# KiCad board v2a.kicad_pcb (continued)
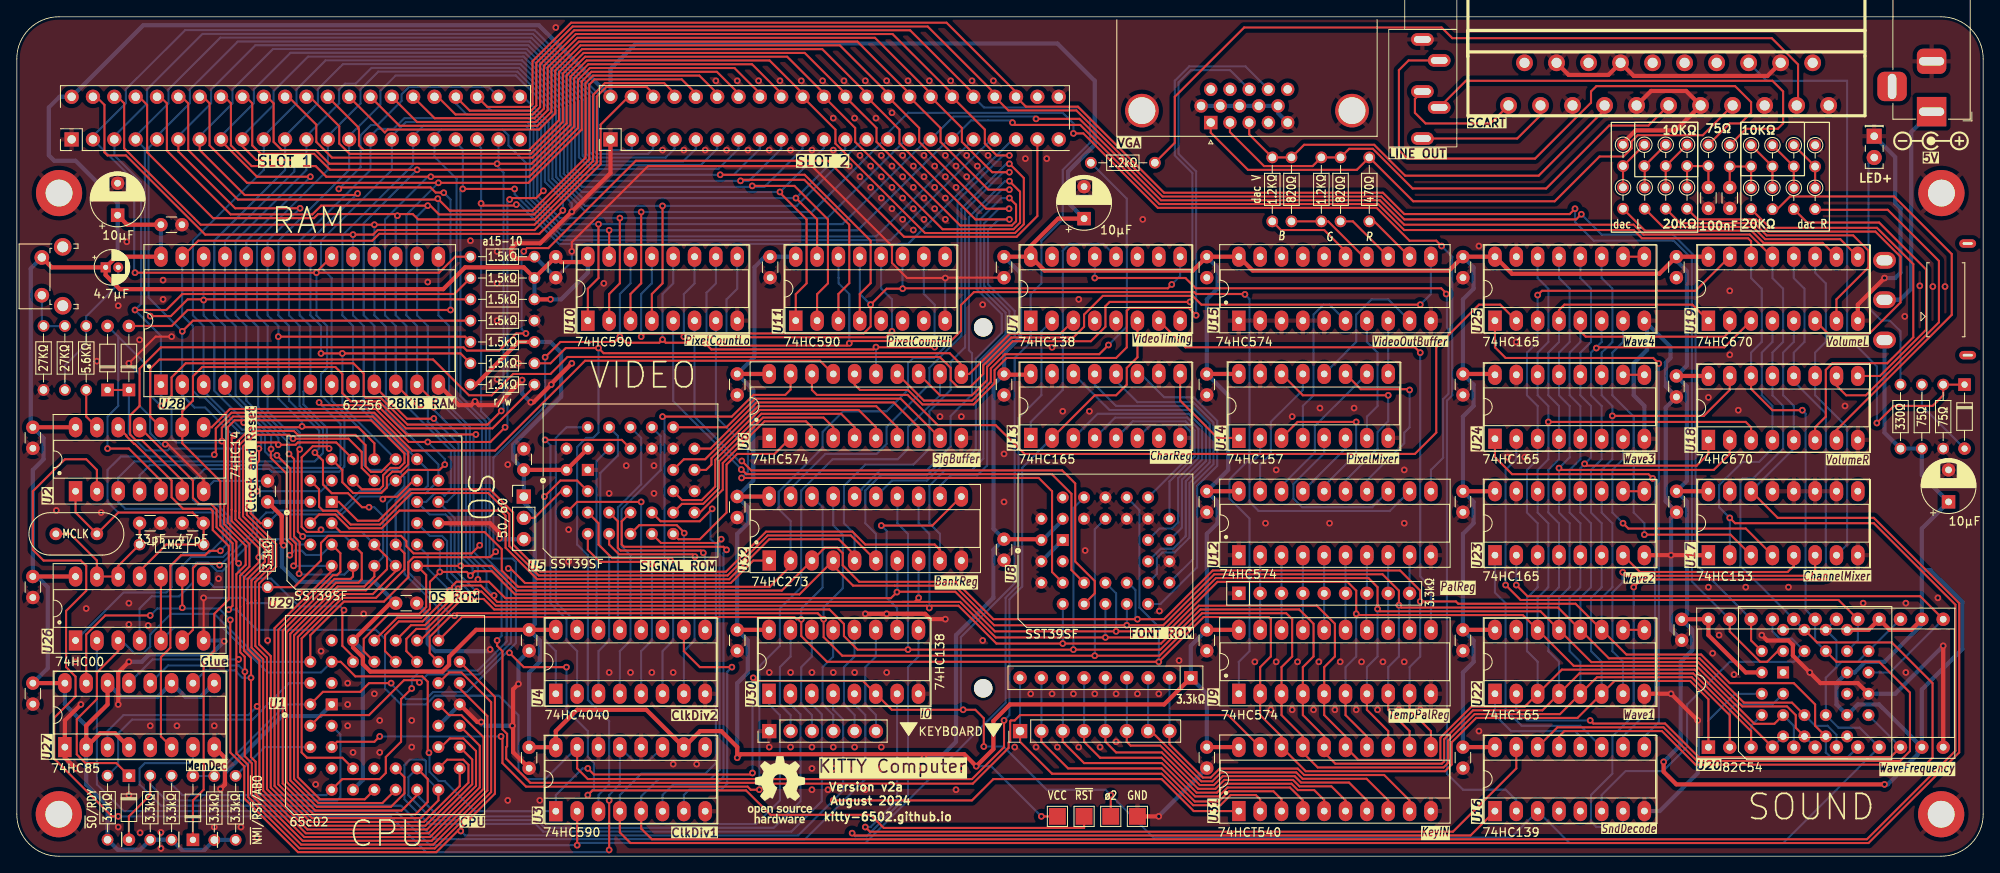
[diagram p0: board, top side]
## Routing (per net, layer and track width the routed paths; a pad name or vN(x,y) marks a point on that pad's centre or on a via; arc(x,y) is an arc through that point) (continued)
A4: length 269.3
  Top w0.25: 47.63,7.28 45.78,5.44 35.51,5.44 32.09,8.85 32.09,26.68 37.99,32.58 40.64,32.58 41.05,32.98 41.05,36.09 U29.8 ; v1(34.02,38.09) 33.44,38.67 33.44,48.25 v1(33.66,48.47) ; U10.4 75.57,66.97 76.84,68.25 v1(76.84,77.47)
  Bottom w0.25: 101.13,85.79 92.81,77.47 67.62,77.47 64.19,80.91 64.19,88.84 59.57,93.46 43,93.46 40.91,91.37 40.91,89.69 37,85.79 37,81.75 28.58,73.33 28.58,64.44 29.85,63.17 U28.6 29.85,53 31.92,50.93 33.19,50.93 33.66,50.47 v1(33.66,48.47) ; U30.1 89.52,18.09 90.81,16.8 90.81,6.65 88,3.84 63.02,3.84 62.11,4.75 50.17,4.75 47.63,7.28 U1.15 ; v1(34.02,38.09) 34.1,38.17 38.97,38.17 U29.8
A5: length 278.1
  Top w0.25: v1(92.72,78.41) 95.23,75.89 U11.15 ; v1(32.39,47.92) 32.99,47.32 32.99,38.09 33.66,37.43 33.66,33.72 v1(33.59,33.66) ; U1.16 48.9,9.19 48.9,6.45 47.43,4.99 35.33,4.99 31.64,8.67 31.64,26.87 37.81,33.03 39.72,33.03 40.01,33.32 U29.7
  Bottom w0.25: U30.2 92.06,18.1 93.25,16.91 93.25,6.56 90.09,3.38 62.83,3.38 61.92,4.29 49.57,4.29 46.59,7.27 46.59,9.42 U1.16 ; v1(32.39,47.92) 32.39,49.19 27.31,54.27 U28.5 27.31,63.17 26.04,64.44 26.04,73.32 34.46,81.75 34.46,85.79 38.37,89.69 38.37,91.35 39.06,92.04 40.34,92.04 42.21,93.91 59.76,93.91 64.64,89.03 64.64,81.09 67.33,78.41 v1(92.72,78.41) 98.59,84.28 98.59,85.79 ; U29.7 38.97,33.55 33.7,33.55 v1(33.59,33.66)
A6: length 296
  Top w0.25: U1.17 50.17,6.65 48.06,4.53 35.14,4.53 31.12,8.55 31.12,26.98 37.62,33.48 38.11,33.48 38.51,33.88 38.51,36.09 U29.6 ; U11.1 92.69,66.95 93.99,68.25 93.99,75.86 90.81,79.04 v1(90.81,79.13) ; v1(30.26,48.51) 30.23,48.48 30.23,47.46 32.09,45.59 32.09,37.72 32.76,37.05 32.76,36.14 v1(32.48,35.86)
  Bottom w0.25: v1(30.26,48.51) 30.26,50.05 24.77,55.54 U28.4 24.77,63.17 23.5,64.44 23.5,73.33 31.92,81.75 31.92,85.79 35.83,89.69 35.83,91.37 38.82,94.36 59.94,94.36 65.09,89.21 65.09,81.28 67.24,79.13 v1(90.81,79.13) 96.05,84.37 96.05,85.79 ; U1.17 48.67,9.42 48.67,11.33 48.5,11.5 46.76,11.5 46.13,10.86 46.13,6.79 49.07,3.84 61.73,3.84 62.64,2.94 92.18,2.94 95.79,6.56 95.79,16.91 94.6,18.1 U30.3 ; v1(32.48,35.86) 33.03,36.41 33.9,36.41 34.41,35.89 36.23,35.89 U29.6
A7: length 229.3
  Top w0.25: v1(30.95,47.76) 32.54,46.17 32.54,37.91 33.21,37.24 33.21,34.86 v1(32.94,34.59) ; U29.5 37.47,33.97 30.67,27.17 30.67,8.37 34.95,4.09 48.44,4.09 52.71,8.36 U1.18 ; v1(87.52,79.85) 92.53,79.85 96.53,75.86 96.53,68.25 95.23,66.95 U11.2
  Bottom w0.25: v1(32.94,34.59) U29.5 ; v1(30.95,47.76) 29.98,47.76 29.53,48.21 29.53,50.14 28.86,50.81 26.81,50.81 22.23,55.4 U28.3 22.23,63.17 20.96,64.44 20.96,73.33 29.38,81.75 29.38,85.79 33.29,89.69 33.29,91.35 36.74,94.81 60.13,94.81 65.54,89.4 65.54,81.47 67.27,79.73 88.96,79.73 93.51,84.28 93.51,85.79
A8: length 248.9
  Top w0.25: v1(33.03,82.94) 28.48,82.94 26.84,84.59 J5.17 ; U29.27 38.01,49.29 33.45,49.29 33.17,49.02 v1(31.12,49.02) 30.84,49.29 28.04,49.29 27.38,48.62 27.38,40.67 30.87,37.18 30.87,34.52 28.83,32.47 28.83,30.65 28.83,30.65 28.83,25.23 30.22,23.84 30.22,8.18 34.77,3.63 48.62,3.63 53.75,8.76 53.75,10.89 53.14,11.5 51.21,11.5 U1.19 ; v1(86.12,80.45) 86.25,80.58 93.72,80.58 99.06,75.23 99.06,68.27 97.77,66.97 97.77,63.8
  Bottom w0.25: v1(33.03,82.94) 33.03,81.58 24.77,73.32 U28.25 24.77,64.44 26.04,63.17 26.04,54.91 31.12,49.83 v1(31.12,49.02) ; 26.84,85.79 30.56,89.5 30.56,91.16 34.65,95.26 60.31,95.26 65.99,89.59 65.99,81.65 67.19,80.45 v1(86.12,80.45) 87.09,80.45 87.21,80.58 87.27,80.58 90.97,84.28 90.97,85.79
A9: length 260.3
  Top w0.25: U1.20 54.2,11.51 54.2,8.57 48.81,3.19 34.58,3.19 29.77,7.99 29.77,23.65 28.38,25.04 28.38,30.46 28.38,30.46 28.38,32.66 30.42,34.7 30.42,36.99 26.92,40.49 26.92,40.73 26.92,40.74 26.92,48.81 28.32,50.21 32.41,50.21 v1(32.87,49.74) 32.87,49.74 39.47,49.74 41.05,48.16 41.05,46.25 U29.26 ; 100.31,63.8 100.31,66.97 101.6,68.27 101.6,73.33 93.75,81.18 v1(83.7,81.18) ; v1(34.93,80.94) 28.58,80.94 24.3,85.22 J5.15
  Bottom w0.25: 24.3,85.79 28.21,89.69 28.21,91.35 32.56,95.71 60.5,95.71 66.44,89.77 66.44,81.84 67.1,81.18 v1(83.7,81.18) 85.33,81.18 88.43,84.28 88.43,85.79 ; v1(32.87,49.74) 32.48,49.74 28.72,53.49 28.72,63.02 27.31,64.44 U28.24 27.31,73.28 34.93,80.9 v1(34.93,80.94)
A10: length 266.4
  Top w0.25: R8.1 52.8,59.9 v1(36.2,59.9) ; U1.21 50.49,13 51.52,14.04 53.14,14.04 54.65,12.53 54.65,8.39 48.99,2.74 34.39,2.74 29.32,7.81 29.32,23.47 27.93,24.86 27.93,30.27 27.92,30.28 27.92,32.85 29.97,34.89 29.97,36.81 26.47,40.31 26.47,40.92 26.47,40.93 26.47,48.99 28.14,50.66 32.98,50.66 33.45,50.19 40.29,50.19 41.5,48.98 41.5,46.44 42.15,45.79 43.35,45.79 44.85,47.29 U29.23 ; v1(40.56,78.95) 40.38,78.77 27.12,78.77 21.76,84.13 J5.13
  Bottom w0.25: v1(40.56,78.95) 34.93,73.33 U28.21 34.93,64.44 36.2,63.17 v1(36.2,59.9) ; U29.23 38.74,53.64 v1(38.74,59.9) ; 21.76,85.79 25.67,89.69 25.67,91.35 30.47,96.16 60.69,96.16 66.89,89.96 66.89,83.27 68.29,81.87 83.48,81.87 85.89,84.28 85.89,85.79
A11: length 277.5
  Top w0.25: R9.1 53.34,61.89 v1(31.12,61.89) ; U1.22 55.1,13.15 55.1,8.2 49.18,2.28 34.21,2.28 28.87,7.62 28.87,23.28 27.48,24.67 27.48,30.09 27.47,30.09 27.47,33.03 29.52,35.07 29.52,36.62 26.02,40.12 26.02,41.11 26.03,41.11 26.03,49.18 27.95,51.11 33.84,51.11 v1(33.94,51.21) 34.04,51.11 40.64,51.11 42.55,49.19 U29.25 ; v1(33.71,77.19) 25.99,77.19 19.22,83.95 J5.11
  Bottom w0.25: v1(33.71,77.19) 29.85,73.33 U28.23 29.85,64.44 31.12,63.17 v1(31.12,61.89) 31.12,54.52 33.94,51.69 v1(33.94,51.21) ; v1(28.59,17.85) 27.55,16.81 12.7,16.81 10.8,14.91 U27.3 ; 19.22,85.79 23.13,89.69 23.13,91.35 28.38,96.61 60.87,96.61 67.34,90.15 67.34,83.46 68.47,82.32 81.39,82.32 83.35,84.28 83.35,85.79
A12: length 263.1
  Top w0.25: v1(19.69,62.53) 20.96,63.8 R10.1 ; v1(25.85,50.12) 25.58,49.84 25.58,41.3 25.56,41.29 25.56,39.93 28.79,36.71 v1(28.79,35.61) 28.79,34.99 27.03,33.22 27.03,29.91 27.03,29.9 27.03,24.48 27.87,23.64 27.87,11.8 28.42,11.25 28.42,7.44 34.02,1.84 49.37,1.84 55.55,8.01 55.55,14.17 52.91,16.81 51.44,16.81 U1.25
  Bottom w0.25: 16.68,85.79 20.59,89.69 20.59,91.35 26.29,97.06 61.06,97.06 67.79,90.33 67.79,83.64 68.66,82.77 79.3,82.77 80.81,84.28 80.81,85.79 ; J5.9 15.69,84.4 15.69,66.53 v1(19.69,62.53) U28.2 19.69,54.91 21.15,53.45 22.41,53.45 25.75,50.12 v1(25.85,50.12) ; v1(27.87,21.25) 26.84,21.25 25.95,22.14 22.48,22.14 U27.10 ; U29.4 33.48,37.13 32.84,37.77 30.95,37.77 v1(28.79,35.61)
A13: length 302.2
  Top w0.25: U29.28 41.05,43.71 43.19,43.71 43.59,44.11 43.59,45.39 44.45,46.25 45.52,46.25 46.13,46.86 46.13,47.97 42.16,51.93 27.27,51.93 v1(27,51.66) 26.72,51.93 25.92,51.93 25.12,51.13 25.12,41.49 25.11,41.48 25.11,39.75 27.69,37.18 27.69,34.52 26.58,33.41 26.58,29.72 26.58,29.71 26.58,24.3 27.13,23.75 27.13,11.91 27.97,11.07 27.97,7.25 33.83,1.38 49.55,1.38 56,7.83 56,16.7 52.71,19.98 ; v1(15.88,64.34) 18.33,64.34 20.33,66.34 22.14,66.34 v1(22.23,66.25) 22.32,66.34 R11.1
  Bottom w0.25: 78.27,85.79 78.27,84.28 77.21,83.22 68.85,83.22 68.24,83.83 68.24,90.52 61.25,97.51 24.2,97.51 18.05,91.35 18.05,89.69 14.14,85.79 ; v1(27.14,21.98) 26.4,22.72 17.98,22.72 U27.12 ; v1(27,51.66) 27,51.96 23.5,55.46 23.5,63.17 22.23,64.44 v1(22.23,66.25) U28.26 ; J5.7 15.24,84.29 15.24,64.98 v1(15.88,64.34)
A14: length 321.9
  Top w0.25: U1.27 51.44,21.89 52.91,21.89 56.45,18.35 56.45,7.64 49.74,0.94 33.65,0.94 27.52,7.06 27.52,10.88 26.13,12.27 26.13,29.53 26.12,29.53 26.12,33.59 27.23,34.7 27.23,36.99 24.67,39.56 24.67,41.66 24.67,41.67 24.67,49.18 v1(24.4,49.45) 24.4,51.05 25.74,52.38 42.35,52.38 46.58,48.15 46.58,46.67 45.71,45.8 44.68,45.8 44.04,45.16 44.04,43.93 43.37,43.26 40.03,43.26 38.74,44.55 38.74,46.02 U29.29 ; v1(14.06,65.07) 17.78,65.07 19.69,66.97 52.08,66.97 R12.1
  Bottom w0.25: J5.5 11.6,83.49 14.79,80.3 14.79,65.8 v1(14.06,65.07) 17.15,61.98 U28.1 17.15,54.91 18.42,53.64 18.42,49.83 18.96,49.29 24.24,49.29 v1(24.4,49.45) ; v1(26.4,23.45) 16.17,23.45 U27.13 ; 75.73,85.79 75.73,84.28 75.12,83.67 69.03,83.67 68.69,84.02 68.69,90.71 61.43,97.96 22.1,97.96 15.51,91.37 15.51,89.69 11.6,85.79
A15: length 422.1
  Top w0.25: 53.13,3.69 52.83,3.39 v1(52.83,3) 52.55,3 52.5,3.05 ; 53.13,3.69 52.5,3.05 ; 53.13,3.69 56.9,7.45 56.9,18.97 U1.28 ; 52.5,3.05 49.93,0.49 33.46,0.49 27.07,6.88 27.07,10.69 25.41,12.36 v1(25.41,28.15) ; R13.1 52.16,71.42 50.26,69.52 v1(35.66,69.52) ; v1(35.66,69.52) v1(14.06,69.52) ; v1(35.66,69.52) 35.66,69.61 U28.20 37.47,71.03 ; v1(15.88,28.68) 10.52,28.68 8.26,26.42 U27.15 ; 19.69,33.81 U26.9 v1(19.69,29.6) ; U31.1 140.05,5.38 136.24,9.19 116.21,9.19 113.67,6.65 v1(97.16,6.65)
  Bottom w0.25: J6.3 73.19,84.28 73.03,84.12 69.22,84.12 69.14,84.2 69.14,90.89 61.62,98.41 20.02,98.41 12.97,91.35 12.97,89.69 9.06,85.79 ; v1(35.66,69.52) 35.66,64.44 36.92,63.17 36.92,58.17 36.2,57.45 36.2,54.91 38.97,52.13 38.97,46.41 38.37,45.8 30.35,45.8 30.02,46.13 22.34,46.13 20.96,44.75 20.96,42.48 21.59,41.85 23.86,41.85 25.41,40.31 25.41,36.5 24.56,35.66 20.76,35.66 19.69,34.59 U26.9 ; J5.3 13.98,80.48 13.98,69.61 v1(14.06,69.52) ; v1(15.88,28.68) 16.71,29.51 24.05,29.51 v1(25.41,28.15) ; U30.4 97.14,17.47 98.34,16.27 98.34,7.82 93,2.49 53.34,2.49 v1(52.83,3)
AudioMux0: length 292.2
  Top w0.25: U3.4 71.76,2.84 73.03,1.57 220.35,1.57 231.14,12.36 231.14,30.14 220.99,40.31 209.56,40.31 U17.14 ; U5.12 76.61,39.9 81.27,39.9 v1(82.75,41.38)
  Bottom w0.25: U17.14 211.46,48.56 U18.5 211.46,53.64 210.19,54.91 210.19,59.99 211.46,61.26 U19.5 ; U3.4 71.76,7.28 74.3,9.82 81.92,9.82 83.19,11.09 83.19,37.13 82.56,37.77 82.56,41.18 v1(82.75,41.38)
AudioMux1: length 294.1
  Top w0.25: U3.5 74.3,3.29 75.57,2.02 220.16,2.02 230.69,12.55 230.69,29.96 220.98,39.67 204.47,39.67 v1(203.84,40.31) ; v1(83.83,37.77) 83.38,37.31 76.66,37.31 U5.11
  Bottom w0.25: v1(83.83,37.77) 83.64,37.58 83.64,10.28 82.56,9.19 76.36,9.19 74.3,7.13 U3.5 ; U19.4 208.92,61.26 207.65,59.99 207.65,54.91 208.92,53.64 U18.4 208.72,49.39 208.72,48.36 207.33,46.97 205.34,46.97 202.57,44.2 202.57,41.58 v1(203.84,40.31) U17.2
B0: length 212.1
  Top w0.25: v1(118.12,83.48) 116.61,83.48 115.19,84.9 115.19,86.56 J6.34 ; U29.3 38.52,38.62 55.67,38.62 57.71,36.58 57.71,34.04 59.65,32.09 89.6,32.09 92.08,34.58 U32.2 ; J5.34 49.72,87.91 61.58,87.91 62.72,89.06 62.72,94.15 66.52,97.94 104.21,97.94 111.29,90.87
  Bottom w0.25: v1(118.12,83.48) 117.35,83.48 111.95,78.08 111.95,62.17 109.14,59.36 106.69,59.36 106.05,58.72 106.05,55.55 103.51,53 98.34,53 95.89,50.55 95.89,48.65 90.66,43.42 90.66,41.56 90.56,41.45 92.08,39.92 U32.2
B1: length 223.8
  Top w0.25: U32.5 99.7,35.88 97.81,37.77 89.54,37.77 84.77,33 61.92,33 58.16,36.76 58.16,40.57 57.55,41.17 45.52,41.17 43.42,39.07 39.54,39.07 37.9,40.71 35.97,40.71 U29.2 ; 108.75,90.87 102.12,97.5 66.7,97.5 63.17,93.96 63.17,88.87 61.77,87.47 47.63,87.47 J5.32 ; J6.32 112.46,86.75 112.46,85.09 116.07,81.48 v1(118.12,81.48)
  Bottom w0.25: v1(118.12,81.48) 117.39,81.48 112.85,76.95 112.85,60.62 111.13,58.91 111.13,55.55 108.59,53 108.59,48.56 106.69,46.66 100.97,46.66 98.43,44.11 98.43,39.67 99.7,38.4 U32.5
B2: length 234.1
  Top w0.25: U32.6 99.25,38.22 89.35,38.22 84.58,33.44 62.11,33.44 58.61,36.94 58.61,40.75 56.1,43.26 46.98,43.26 43.23,39.52 39.73,39.52 38.09,41.16 36.45,41.16 35.97,41.64 35.97,43.71 U29.30 ; J6.30 109.92,86.75 109.92,85.09 115.61,79.41 v1(118.12,79.41) ; 106.21,90.87 100.03,97.05 66.89,97.05 63.62,93.78 63.62,88.68 61.95,87.02 45.54,87.02 J5.30
  Bottom w0.25: U32.6 102.24,38.4 100.97,39.67 100.97,43.57 102.79,45.39 108.32,45.39 110.23,47.29 112.94,47.29 114.12,48.47 114.12,59.26 117.22,62.36 117.22,64.57 114.22,67.56 114.22,76.42 117.21,79.41 v1(118.12,79.41)
B3: length 233.2
  Top w0.25: 103.67,90.87 97.94,96.59 67.08,96.59 64.07,93.59 64.07,88.5 62.14,86.56 44.14,86.56 43.79,86.22 J5.28 ; U32.9 109.86,36.5 109.22,37.13 100.97,37.13 99.44,38.67 89.17,38.67 84.4,33.89 62.3,33.89 59.06,37.13 59.06,40.94 56.29,43.71 46.79,43.71 43.04,39.97 40.56,39.97 38.32,42.21 U29.1 ; v1(118.08,77.13) 115.34,77.13 107.38,85.09 107.38,86.75 J6.28
  Bottom w0.25: U32.9 109.86,38.4 108.59,39.67 108.59,44.11 110.5,46.02 113.67,46.02 115.02,47.37 115.02,58.89 118.12,61.98 118.12,64.94 115.12,67.93 115.12,75.41 116.85,77.13 v1(118.08,77.13)
B4: length 144.2
  Top w0.25: J6.26 105.03,86.56 105.03,84.9 114.07,75.86 117.84,75.86 117.93,75.95 ; v1(118.12,75.86) 117.93,76.05 ; J5.26 40.64,86.83 40.64,86.66 40.72,86.59 40.72,84.68 41.28,84.12 60.97,84.12 64.52,87.68 64.52,93.41 67.26,96.15 95.85,96.15 101.13,90.87
  Bottom w0.25: 118.12,75.77 116.75,75.77 115.57,74.59 115.57,68.12 118.75,64.95 118.75,61.98 115.47,58.7 115.47,46.55 114.31,45.39 111.13,45.39 109.86,44.11 U32.12
B5: length 158.9
  Top w0.25: 34.46,90.87 38.37,86.96 38.37,84.9 39.6,83.67 61.15,83.67 64.97,87.49 64.97,93.22 67.45,95.69 93.76,95.69 98.59,90.87 ; v1(118.12,78.41) 118.91,77.61 118.91,75.63 118.42,75.14 112.26,75.14 102.3,85.09 102.3,86.75 J6.24
  Bottom w0.25: v1(118.12,78.41) 117.16,78.41 114.68,75.92 114.68,67.75 117.66,64.76 117.66,62.17 114.57,59.08 114.57,48.19 113.03,46.66 110.23,46.66 108.32,44.75 104.15,44.75 U32.15
B6: length 164.4
  Top w0.25: J6.22 99.76,86.75 99.76,85.09 110.17,74.69 118.6,74.69 119.38,75.47 119.38,79.16 v1(118.13,80.42) ; 96.05,90.87 91.67,95.25 67.64,95.25 65.42,93.03 65.42,87.31 61.34,83.22 37.51,83.22 35.64,85.09 35.64,87.15 31.92,90.87
  Bottom w0.25: v1(118.13,80.42) 117.59,80.42 113.3,76.13 113.3,60.28 113.67,59.91 113.67,54.99 111.13,52.45 111.13,48.83 108.32,46.02 102.79,46.02 100.52,43.75 100.52,43.67 U32.16
B7: length 294.1
  Top w0.25: v1(118.12,82.48) 118.14,82.48 119.84,80.79 119.84,75.29 118.79,74.24 108.08,74.24 97.41,84.9 97.41,86.56 J6.20 ; 29.38,90.87 30.56,89.69 30.56,85.09 31.53,84.12 35.57,84.12 37.19,82.5 61.25,82.5 65.87,87.12 65.87,92.85 67.82,94.8 89.58,94.8 93.51,90.87 ; v1(57.65,53.05) 56.02,51.42 46.49,51.42 43.28,54.63 41.52,54.63 41.28,54.87 41.28,57.49 40.05,58.72 20.1,58.72 18.42,57.05 18.42,54.91 v1(17.15,53.64) ; U2.5 17.15,44.75 13.34,48.56 v1(10.8,48.56)
  Bottom w0.25: 12.07,61.89 12.07,53.64 10.8,52.37 v1(10.8,48.56) ; 12.07,61.89 15.88,58.08 15.88,54.91 v1(17.15,53.64) ; 12.07,61.89 D5.2 ; U32.19 92.08,43.79 96.21,47.92 102.33,47.92 103.51,49.11 103.51,51.14 108.59,56.22 108.59,58.17 112.4,61.98 112.4,77.13 117.75,82.48 v1(118.12,82.48) ; J5.41 57.32,82.66 v1(57.16,82.5) 57.16,82.22 57.92,81.45 57.92,53.32 v1(57.65,53.05)
BusDriver: length 279.5
  Top w0.25: U1.40 34.93,26.33 38.92,30.33 43.68,30.33 46.59,33.24 46.59,35.02 47.2,35.63 56.34,35.63 v1(56.98,36.27) ; D1.1 11.83,11.09 8.17,11.09 7.13,12.13 7.13,16.32 9.53,18.72 9.53,21.89 12.07,24.43 U26.3 ; v1(62.87,59.44) 64.69,61.26 71.12,61.26 v1(71.76,61.89) 72.48,61.17 76.46,61.17 v1(76.84,61.55) 77.22,61.17 79.68,61.17 80.34,61.83 82.72,61.83 83.72,60.83 98.79,60.83 v1(99.06,61.1) 99.34,61.38 111.15,61.38 112.35,62.58 112.35,65.66 113.9,67.21 140.1,67.21 140.33,66.97 146.1,66.97 v1(146.15,66.93)
  Bottom w0.25: v1(76.84,61.55) 76.84,66.97 78.11,68.25 U10.12 ; v1(71.76,61.89) 71.76,66.97 73.03,68.25 U10.14 ; v1(99.06,61.1) 99.06,66.97 97.79,68.25 97.79,68.88 97.77,68.9 97.77,71.42 ; U9.1 145.42,23.16 146.69,24.43 146.69,40.22 144.29,42.61 144.29,44.9 146.69,47.29 146.69,66.39 v1(146.15,66.93) ; v1(62.87,59.44) 62.87,53.64 56.71,47.48 56.71,36.55 v1(56.98,36.27) ; U1.40 29.22,23.16 24.7,27.67 24.7,27.67 23.5,28.88 18.33,28.88 15.88,26.42 15.88,24.98 15.08,24.17 13.99,24.17 12.47,25.7 U26.3
CLK0: length 141.9
  Top w0.25: U2.2 9.53,46.02 8.26,47.29 5.72,47.29 1.91,43.48 1.91,36.5 3.18,35.22 7.62,35.22 8.26,34.59 8.26,31.62 5.87,29.22 5.87,22.53 6.99,21.4 6.99,19.03 4.45,16.49 4.45,11.62 11.33,4.75 v1(12.07,4.75) ; v1(70.49,0.75) v1(70.49,6.65)
  Bottom w0.25: v1(12.07,4.75) 44.45,4.75 48.72,0.47 70.49,0.47 v1(70.49,0.75) ; U3.11 75.31,11.46 73.28,11.46 U3.13 71.76,8.56 70.49,7.28 v1(70.49,6.65)
CLK1: length 201.2
  Top w0.25: U7.6 133.35,59.44 132.09,58.17 132.09,56.18 130.81,54.91 128.28,54.91 U13.2 ; v1(117.48,16.17) 117.48,13 113.67,9.19 67.95,9.19 66.68,10.46 U3.15 ; U2.11 20.96,44.75 20.96,42.7 21.7,41.95 23.12,41.95 23.77,41.31 23.77,39.19 25.67,37.28 25.67,29.83 v1(25.21,29.37)
  Bottom w0.25: v1(117.48,16.17) 118.12,16.81 118.12,30.6 119.65,32.13 119.65,46.28 U13.2 ; v1(25.21,29.37) 26.18,29.37 28.58,26.97 42.75,26.97 43.82,25.9 43.82,19.98 45.72,18.08 48.7,18.08 49.74,19.12 57.39,19.12 59.69,16.81 59.69,10.16 60.66,9.19 62.89,9.19 U3.15
CLK2: length 462.8
  Top w0.25: v1(87.64,21.25) 88.01,20.88 100.69,20.88 U30.6 104.12,17.44 v1(112.62,17.44) 114.06,17.44 115.07,16.43 v1(115.07,13.06) ; U1.41 38.54,23.16 40.28,21.42 48.27,21.42 48.9,20.79 48.9,12.47 v1(49.05,12.32) ; v1(67.95,10.46) 68.67,9.74 87.55,9.74 87.64,9.82 v1(87.55,9.91) ; 49.7,90.87 52.21,88.37 61.39,88.37 62.27,89.24 62.27,94.34 66.33,98.4 106.3,98.4 113.83,90.87 ; U26.10 U26.5 ; v1(130.18,7.28) TP4.1
  Bottom w0.25: v1(87.55,9.91) 87.55,21.17 v1(87.64,21.25) ; U26.5 18.67,27.22 24.51,27.22 27.56,24.17 29.85,21.89 36.2,21.89 U1.41 ; U3.1 64.69,5.36 ; U3.1 64.14,7.28 67.31,10.46 v1(67.95,10.46) ; U3.1 54.51,5.36 50.91,8.96 50.21,8.96 49.12,10.05 49.12,12.25 v1(49.05,12.32) ; 216.54,22.53 216.54,25.7 U21.21 216.53,28.23 U20.18 ; 216.54,22.53 217.18,23.16 219.08,23.16 U21.18 224.15,28.23 U20.15 ; 216.54,22.53 215.27,21.25 U21.10 216.77,15.31 219.3,15.31 U20.9 210.2,1.57 184.79,1.57 U16.3 177.81,2.21 135.26,2.21 v1(130.18,7.28) 129.54,7.92 122.56,7.92 117.42,13.06 v1(115.07,13.06) ; J6.36 115.1,89.2 126.37,89.2 127.7,87.87 127.7,84.99 124.47,81.76 124.47,75.86 121.93,73.33 121.93,68.25 120.66,66.97 U7.1 120.66,61.26 118.75,59.36 118.75,32.51 112.34,26.1 112.34,17.72 v1(112.62,17.44)
CLK4: length 187.2
  Top w0.25: v1(66.68,1.31) U3.2
  Bottom w0.25: U7.2 121.93,62.53 121.93,54.91 119.2,52.19 119.2,32.32 117.66,30.79 117.66,18.27 100.99,1.59 66.95,1.59 v1(66.68,1.31) 49.16,1.31 45.09,5.38 12.7,5.38 9.53,8.56 U26.2
CLK8: length 128.3
  Top w0.25: U7.3 124.19,62.25 118.14,62.25 113.34,57.45 U6.11 112.4,58.54 111.01,59.92 69.83,59.92 v1(69.22,60.53) 65.32,60.53 63.5,58.72 R8.2
  Bottom w0.25: U3.3 69.22,7.28 70.49,8.56 70.49,16.09 67.95,18.63 67.95,35.86 66.68,37.13 66.68,48.76 67.75,49.83 68.58,49.83 69.22,50.47 v1(69.22,60.53)
D0: length 438.6
  Top w0.25: U1.36 41.28,24.43 41.28,25.9 44.26,28.88 47.91,28.88 48.72,29.68 48.72,33.5 U29.13 56.52,34.59 59.47,31.64 91.04,31.64 U32.3 96.15,36.75 97.63,36.75 98.28,36.09 98.28,34.65 100.25,32.69 111.77,32.69 116.22,28.23 136.52,28.23 142.32,34.03 164.61,34.03 167.01,31.64 v1(167.01,30.35) 171.25,30.35 171.52,30.08 185.49,30.08 U22.11 191.54,24.03 200.43,24.03 203.84,20.62 211.46,20.62 214,18.08 214,15.54 U21.9 ; 203.84,57.21 203.84,55.55 200.75,52.46 v1(189.87,52.46) ; v1(49.62,52.14) 49.6,52.12 46.43,52.12 42.55,56 U28.11 ; 168.28,12.34 168.28,14.91 165.74,17.44 U9.9 ; 26.84,90.87 28.02,89.69 28.02,84.68 29.03,83.67 35.38,83.67 37.28,81.77 61.16,81.77 66.32,86.93 66.32,92.66 68.01,94.34 87.49,94.34 90.97,90.87
  Bottom w0.25: v1(133.35,28.23) 133.12,28.47 133.12,31.71 132.24,32.58 ; U9.9 165.74,22.53 167.01,23.8 v1(167.01,30.35) ; U22.11 188.6,30.78 189.87,32.05 189.87,39.67 188.6,40.94 U23.11 188.6,46.02 189.87,47.29 v1(189.87,52.46) 189.87,53.64 188.6,54.91 U24.11 188.6,59.99 189.87,61.26 189.87,67.61 188.6,68.88 U25.11 ; U20.8 217.82,11.73 215.91,11.73 215.27,12.36 U21.9 ; v1(49.62,52.14) 49.62,52.04 52.56,49.1 52.56,34.86 v1(52.83,34.59) ; U28.11 42.55,63.17 41.28,64.44 41.28,75.42 v1(47.63,81.77)
D1: length 425.3
  Top w0.25: U18.1 201.3,47.92 199.9,46.53 186.78,46.53 v1(186.57,46.75) ; U21.8 211.24,18.3 205.52,18.3 200.24,23.58 189.46,23.58 U22.12 183.4,29.63 164.75,29.63 v1(164.47,29.9) 164.47,31.64 162.52,33.58 142.5,33.58 136.43,27.51 v1(132.09,27.51) 116.31,27.51 111.59,32.23 104.48,32.23 104.47,32.23 99.51,32.23 97.16,34.59 U32.4 93.13,31.19 59.28,31.19 56.52,33.95 54.51,33.95 v1(53.98,33.42) 53.54,33.86 v1(50.34,33.86) 49.17,32.69 49.17,29.49 48.1,28.42 45.28,28.42 U1.35 ; 165.74,12.34 165.74,14.91 163.2,17.44 U9.8 ; 88.43,90.87 85.4,93.9 68.19,93.9 66.77,92.47 66.77,86.75 60.97,80.94 v1(49.27,80.94) 36.83,80.94 35.56,82.22 27.94,82.22 25.48,84.68 25.48,89.69 24.3,90.87 ; U28.12 47.78,53.49 v1(49.62,53.49)
  Bottom w0.25: U22.12 186.06,30.78 187.33,32.05 187.33,39.67 186.06,40.94 U23.12 186.06,46.24 v1(186.57,46.75) 187.33,47.51 187.33,53.64 186.06,54.91 U24.12 186.06,59.99 187.33,61.26 187.33,67.61 186.06,68.88 U25.12 ; U28.12 45.09,63.17 43.82,64.44 43.82,75.86 48.9,80.94 v1(49.27,80.94) ; U29.14 50.34,36.96 v1(50.34,33.86) ; U9.8 163.2,22.53 164.47,23.8 v1(164.47,29.9) ; U20.7 216.54,14.47 215.47,15.54 214,15.54 U21.8 ; v1(53.98,33.42) 54.24,33.69 54.24,34.33 53.01,35.56 53.01,49.79 49.62,53.17 v1(49.62,53.49) ; U8.11 v1(132.09,27.51)
D2: length 434.1
  Top w0.25: 85.89,90.87 83.31,93.44 68.38,93.44 67.22,92.29 67.22,86.56 60.88,80.22 27.4,80.22 22.94,84.68 22.94,89.69 21.76,90.87 ; U21.7 211.69,15.31 211.69,16.81 210.66,17.85 205.34,17.85 200.06,23.12 187.37,23.12 U22.13 181.31,29.18 162.21,29.18 v1(161.93,29.45) 161.93,32.05 160.84,33.14 142.69,33.14 136.34,26.78 v1(130.81,26.78) 116.4,26.78 111.68,31.5 104.78,31.5 v1(104.74,31.46) 104.02,30.75 58.14,30.75 56.18,32.7 55.15,32.7 v1(54.87,32.97) 54.6,32.7 52.33,32.7 51.79,32.16 51.79,31.91 v1(51.53,31.66) 51.53,31.22 48.28,27.97 45.46,27.97 43.82,26.33 43.82,24.43 U1.34 ; U18.2 203.84,47.92 201.94,46.02 183.74,46.02 v1(183.52,46.24) ; U9.7 160.66,17.44 163.2,14.91 163.2,12.34 ; U28.13 49.32,54.49 v1(49.62,54.49)
  Bottom w0.25: U25.13 183.52,68.88 184.79,67.61 184.79,61.26 183.52,59.99 U24.13 183.52,54.91 184.79,53.64 184.79,47.51 v1(183.52,46.24) U23.13 183.52,40.94 184.79,39.67 184.79,32.05 183.52,30.78 U22.13 ; v1(50.17,80.22) 46.36,76.41 46.36,64.44 47.63,63.17 U28.13 ; U20.6 214,13 U21.7 ; U32.7 104.78,31.5 v1(104.74,31.46) ; v1(161.93,29.45) 161.93,23.8 160.66,22.53 U9.7 ; v1(49.62,54.49) 49.95,54.49 53.46,50.99 53.46,35.75 54.87,34.33 v1(54.87,32.97) ; v1(51.53,31.66) 51.52,31.66 48.9,34.28 48.9,35.86 U29.15 ; v1(130.81,26.78) 130.81,31.31 129.54,32.58
D3: length 435.6
  Top w0.25: U18.3 206.38,51.1 205.75,51.73 v1(182.25,51.73) ; 105.41,30.3 106.84,30.3 v1(107.32,30.78) ; 105.41,30.3 57.17,30.3 55.22,32.25 52.9,32.25 v1(52.51,31.86) 52.51,31.47 48.56,27.53 46.92,27.53 U1.33 ; 105.41,30.3 112.25,30.3 116.49,26.06 136.25,26.06 142.87,32.69 158.34,32.69 159.39,31.64 v1(159.39,28.88) 159.54,28.73 179.22,28.73 U22.14 185.28,22.67 199.87,22.67 206.77,15.77 209.15,15.77 U21.6 ; 160.66,12.34 160.66,14.27 158.12,16.81 U9.6 ; 83.35,90.87 81.22,93 68.57,93 67.67,92.1 67.67,83.2 61.37,76.9 51.53,76.9 v1(50.1,78.33) 49.99,78.22 26.31,78.22 20.4,84.13 20.4,89.69 19.22,90.87
  Bottom w0.25: U21.6 211.46,15.54 U20.5 ; 129.54,30.05 v1(129.54,26.06) ; v1(56.8,31.06) 55.89,31.97 55.89,33.96 53.91,35.94 53.91,51.18 51.44,53.64 51.44,63.17 50.17,64.44 U28.15 50.17,78.26 v1(50.1,78.33) ; U29.17 49.13,38.17 50.6,38.17 51.21,37.56 51.21,33.16 v1(52.51,31.86) ; v1(159.39,28.88) 159.39,23.8 158.12,22.53 U9.6 ; U25.14 180.98,68.88 182.25,67.61 182.25,61.26 180.98,59.99 U24.14 180.98,54.91 182.25,53.64 182.25,47.29 180.98,46.02 U23.14 180.98,40.94 182.25,39.67 182.25,32.05 180.98,30.78 U22.14 ; v1(107.32,30.78) U32.8
D4: length 432.1
  Top w0.25: 158.12,14.27 155.58,16.81 U9.5 155.58,22.53 156.85,23.8 156.85,27.69 154.7,29.84 140.67,29.84 136.16,25.33 116.57,25.33 112.06,29.84 108.87,29.84 v1(108.59,29.57) 108.31,29.84 56.99,29.84 55.31,31.53 v1(54.7,31.53) 54.54,31.37 53.05,31.37 48.75,27.08 47.54,27.08 46.36,25.9 46.36,24.43 U1.32 ; 80.81,90.87 79.13,92.55 68.75,92.55 68.12,91.91 68.12,83.02 61.56,76.45 50.25,76.45 49.2,77.5 36.22,77.5 35.18,76.46 25.44,76.46 17.86,84.05 17.86,89.69 16.68,90.87 ; U19.15 199.78,67.36 181.49,67.36 v1(180.98,66.85) ; U20.4 199.69,22.22 183.85,22.22 U22.3 179.46,17.83 173.1,17.83 169.41,14.12 169.41,11.48 169.4,11.47 159.65,11.47 U31.15